# Allegro board AM335x_ICE_3H0013_PCB_REV_2_1A.brd (continued)
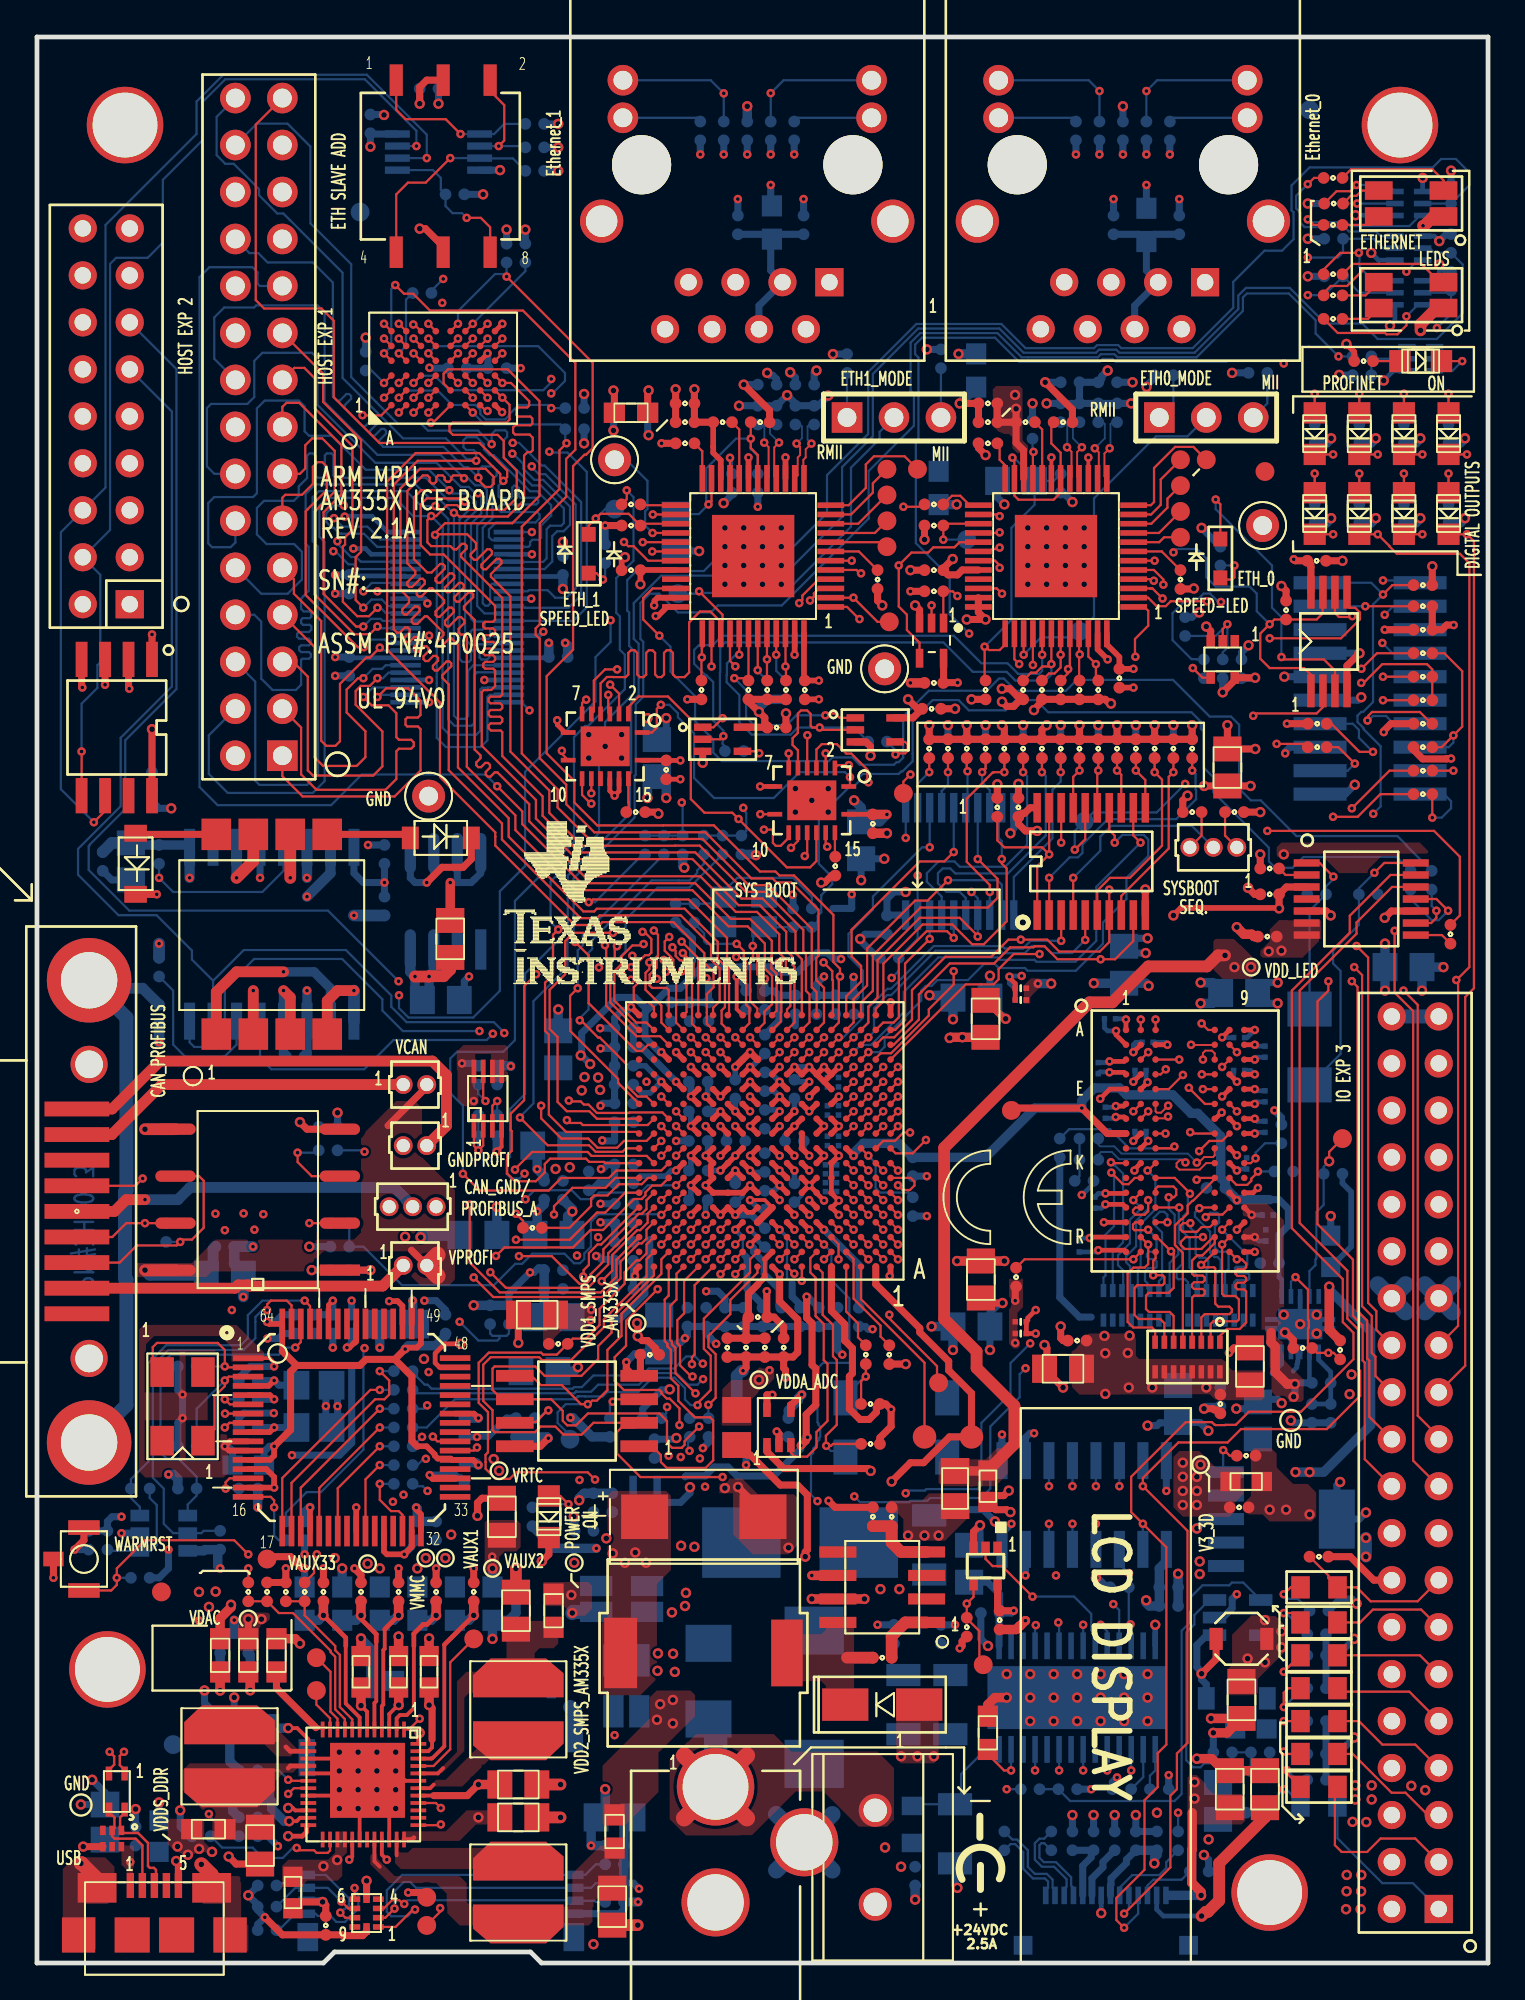
[diagram p0: board, top side]
## Routing (per net, layer and track width the routed paths; a pad name or vN(x,y) marks a point on that pad's centre or on a via; arc(x,y) is an arc through that point) (continued)
  LYR4 w0.127: v1(23.93,50.39) 24.84,51.3 27.07,51.3 27.8,50.57 29.82,50.57 30.28,50.11 30.7,50.11 30.72,50.09 30.86,49.96 30.86,49.95 32.28,48.53 32.28,43.05 33.13,42.2 33.13,40.53 33.62,40.04 34.18,40.04 v1(34.57,39.65)
  BOTTOM w0.121: v1(23.93,50.39) 19.79,50.39 18.68,51.5 18.68,52.11 16.51,54.29 11.74,54.29 10.16,52.7 10.16,49.78 9.91,49.53 8.51,49.53 8.26,49.78 8.26,50.93
UART3_RXD: length 33.2
  TOP w0.121: v1(28.66,45.57) 28.82,45.42 29.41,45.42 29.52,45.31 33.03,45.31 U14.L17 ; U18.38 23.62,27.71 23.79,27.87 v1(23.8,27.87)
  LYR4 w0.127: v1(28.66,45.57) 27.46,45.57 25.72,47.31 23.33,47.31 22.92,46.9 22.92,43.78 23.46,43.25 23.46,42 22.99,41.53 22.99,40.32 22.31,39.65 22.31,36.15 23.38,35.09 23.38,28.27 23.78,27.87 v1(23.8,27.87)
UART3_TXD: length 33.5
  TOP w0.121: v1(28.77,46.63) 28.81,46.59 29.41,46.59 29.58,46.42 29.83,46.42 30.28,45.96 32.03,45.96 32.05,45.99 33.83,45.99 U14.L16 ; v1(21.41,28.46) 21.39,28.46 21.4,28.46 21.65,28.21 U18.39
  LYR4 w0.127: v1(21.41,28.46) 21.41,28.48 21.96,29.03 21.96,33.05 21.81,33.2 21.81,39.86 22.42,40.47 22.42,47.11 23.12,47.82 25.94,47.82 26.57,47.18 28.22,47.18 v1(28.77,46.63)
UART4_RXD_SYNC0_OUT: length 66.9
  TOP w0.121: v1(29.54,37.12) 29.57,37.14 29.57,37.46 29.85,37.75 29.85,38.39 30.32,38.85 30.51,38.85 32.51,40.85 U14.E18
  LYR3 w0.127: J3.7 3.61,79.69 3.61,71.15 4.53,70.23 4.53,66.08 9.26,61.35 9.26,58.58 15.06,52.78 15.06,41.2 19.61,36.65 29.08,36.65 v1(29.54,37.12)
UART4_TXD_SYNC1_OUT: length 71.3
  TOP w0.121: v1(30.55,36.86) 31.12,37.44 31.12,38.28 32.46,39.62 32.62,39.62 33.03,40.03 33.03,40.51 U14.E17
  LYR3 w0.127: v1(30.55,36.86) 30.09,36.41 29.24,36.41 27.92,35.09 19.05,35.09 12.6,41.55 12.6,53.67 3.34,62.93 3.34,65.88 1.37,67.85 1.37,79.98 J3.8
USB_DC: length 35.6
  LYR3 w0.508: v1(5.05,5.46) 4.63,5.88 4.63,9.15 8.05,12.58 8.05,18.26 7.71,18.61 7.71,21.44 8.05,21.79 8.05,24.89 9.84,26.68 13.01,26.68 v1(13.79,27.46)
  BOTTOM w0.381: v1(13.79,27.46) 16.36,27.46 17.02,28.12 17.02,32.15
USBDM: length 5.6
  TOP w0.13: L6.3 3.89,8.17 4.19,7.87 4.19,7.3 U23.2 4.06,6.86 4.2,6.72 5.34,6.72 5.7,6.36 J13.2
USBDM_FT: length 25.5
  TOP w0.13: U18.7 v1(10.17,29.71) ; L6.2 3.89,10.44 4.18,10.72 4.18,11.18 v1(3.93,11.42)
  LYR3 w0.13: v1(10.17,29.71) 9.01,29.71 6.06,26.75 6.06,18.48 6.74,17.79 6.74,13.75 5.78,12.79 4.48,12.79 3.93,12.25 v1(3.93,11.42)
USBDP: length 5.6
  TOP w0.13: J13.3 6.44,4.28 6.44,5.03 6.33,5.14 6.1,5.14 6,5.24 6,6.49 5.47,7.03 4.7,7.03 U23.1 4.5,7.24 4.5,7.87 4.74,8.12 L6.4
USBDP_FT: length 25.5
  TOP w0.13: L6.1 4.74,10.44 4.48,10.7 4.48,11.2 v1(4.71,11.42) ; U18.8 10.41,29.21 v1(10.16,28.96)
  LYR3 w0.13: v1(10.16,28.96) 9.93,29.19 9.93,29.27 9.8,29.4 9.14,29.4 6.36,26.62 6.36,18.6 7.04,17.92 7.04,13.63 5.91,12.49 4.61,12.49 4.24,12.12 4.24,11.89 v1(4.71,11.42)
VADD33_PRUETH0: length 6
  TOP w0.381: U3.22 53.37,81.79 52.96,82.2 52.96,83.31 ; 52.96,83.31 C5.1 C2.1 ; 52.96,83.31 v2(52.96,84.04)
  vias: v2(52.9,84.79)
VADD33_PRUETH1: length 7.2
  TOP w0.305: R7.1 36.58,81.99 36.58,81.99 36.58,81.66 36.98,81.25 U2.22
  TOP w0.381: v2(35.56,85.09) C1.1 C3.1 R7.1
  BOTTOM w0.381: R240.1 33.03,82.66 v2(33.08,82.61)
VAUX1: length 108.1
  TOP w0.305: v1(33.77,49.25) U14.R16 ; v2(67.18,57.02) 67.16,57.05 61.87,57.05 v2(61.47,56.64) ; v1(33.77,47.65) U14.N16
  TOP w0.381: v2(67.18,57.02) C21.1 67.58,58.18 U12.3 ; R39.2 v2(66.17,59.94)
  LYR3 w0.305: v2(61.47,56.64) 61.47,56.52 60.96,56 59.82,56 59.47,55.65 59.47,54.91 59.41,54.84 59.41,53.7 58.12,52.4 51.74,52.4 49.85,54.29 49.53,54.29
  LYR3 w0.381: 49.53,54.29 v1(43.49,54.29)
  LYR3 w0.508: v2(35.56,22.5) 35.5,22.56 v2(34.84,22.56) 34.85,22.57 34.85,23.62 34.44,24.03 30.02,24.03 29.47,23.48 28.76,23.48 28.72,23.52 22.76,23.52 v2(22.4,23.16) 22.09,22.85 v2(22.09,21.89)
  LYR4 w0.305: v2(66.17,59.94) 67.18,58.93 v2(67.18,57.02)
  LYR4 w0.381: 29.88,48.61 v2(29.92,48.61)
  LYR4 w0.508: v1(33.77,49.25) 33.66,49.14 33.66,47.76 v1(33.77,47.65) ; v2(29.92,48.61) 30.01,48.51 30.62,48.51 31.19,47.94 31.19,42.52 31.88,41.84 31.88,39.44 32.84,38.48 32.93,38.39 32.93,35.97 33.51,35.38 33.51,33.47 32.91,32.87 32.91,25.6 34.84,23.67 v2(34.84,22.56) ; v2(29.41,49.07) 29.88,48.61
  BOTTOM w0.305: C124.1 32.91,48.51 v1(33.77,47.65) 33.17,47.05 32.71,47.05 C132.1
  BOTTOM w0.381: v2(29.41,49.07) 29.46,49.12 ; 29.46,49.12 29.46,49.06 v2(29.92,48.61) ; 29.46,49.12 29.46,50.29 31.39,52.21 32.35,52.21 32.92,51.64 33.12,51.64 ; v1(33.77,49.25) 33.68,49.25 32.89,50.04 32.89,51.41 33.12,51.64 ; 33.12,51.64 34.19,52.7 34.8,52.7 35.95,53.86 37.63,53.86 39.61,53.86 39.9,53.58 41.14,53.58 42.18,54.62 42.76,54.62 43.1,54.29 v1(43.49,54.29)
VAUX2: length 88.4
  TOP w0.254: U14.E10 38.71,40.59 38.43,40.59 U14.E11
  TOP w0.305: U14.P12 v1(36.97,48.45) ; U14.P5 42.57,47.65 ; U14.P5 v1(43.37,48.45) ; U14.P5 v1(42.57,48.45) U14.P6 ; 42.57,47.65 U14.P6 ; 42.57,47.65 U14.N5 ; U14.P8 v1(40.97,48.45) U14.P7 v1(41.77,48.45) U14.P6 ; U14.G14 v1(35.37,42.05) U14.F14 ; U14.L14 v1(35.37,45.25) U14.K14 ; U14.P13 v1(36.17,48.45) ; U14.E11 v1(37.77,40.45) U14.E12 v1(36.97,40.45) U14.E13
  TOP w0.381: v2(65.9,65.64) C23.1 v2(64.39,66.93) ; R44.2 54.36,66.67 v2(54.61,66.93) ; R44.2 R48.2 R51.2 ; R44.2 R43.2 R46.2 ; R51.2 R52.2 R53.2 ; R51.2 v2(56.39,66.93) ; R47.2 v2(50.29,66.93) ; R47.2 R45.2 R46.2 ; R47.2 R49.2 R50.2 v2(48.26,66.93) ; v2(62.23,63.12) 61.98,62.87 R37.2 ; R53.2 v2(58.42,66.93) ; R53.2 R54.2 R56.2 ; R56.2 v2(60.45,66.93) ; R56.2 R55.2 R57.2 v2(62.48,66.93) ; v2(52.2,66.93) 52.32,66.8 R46.2 ; R70.2 R71.2 v1(13.46,21.34)
  LYR4 w0.254: v1(35.86,27.28) 36.01,27.13
  LYR4 w0.508: 36.01,27.13 36.69,27.13 37.09,27.53 40.79,27.53 40.97,27.36 42.83,27.36 43.14,27.36 43.56,27.78 46.64,27.78 50.29,24.13 50.29,20.73 50.77,20.25 50.78,20.26 51.33,20.26 51.71,19.87 51.71,19.33 51.7,19.32 53.94,17.08 58.78,17.08 59.76,18.06 59.76,18.58 59.11,19.23 59.11,19.98 59.63,20.5 60.36,20.5 60.48,20.38 62.24,20.38 v2(62.89,21.03) v2(62.89,21.72)
  BOTTOM w0.305: v1(35.37,45.25) 35.37,45.94 C139.1 ; v1(41.77,48.45) v1(40.97,48.45) ; C173.2 35.37,41.36 v1(35.37,42.05)
  BOTTOM w0.381: C201.1 C202.2 37.21,35.94 36.83,36.32 v1(36.2,36.32) ; R196.2 32.77,29.97 33.78,30.99 34.04,30.99 34.07,31.02 v2(34.22,31.02) ; C172.2 38.65,40.45 v1(37.77,40.45) ; v1(36.02,27.84) 36.32,28.15 R197.2
  BOTTOM w0.508: v2(24.64,21.34) R213.2
  vias: v1(24.62,21.97) v1(29.98,35.32) v1(29.95,34.76)
VAUX33: length 128.1
  TOP w0.305: v1(34.57,49.25) U14.R15 ; v1(34.57,47.65) U14.N15
  TOP w0.508: R63.2 69.9,34.24 v2(69.9,36.57)
  LYR3 w0.381: v2(30.35,47.88) 30.35,47.32 v2(30.46,47.21) ; v1(34.57,49.25) 33.88,49.94 33.43,49.94
  LYR3 w0.508: v2(68.83,26.54) v2(68.07,26.54) 67.77,26.54 65.07,23.84 65.07,21.94 60.72,17.59 58.9,17.59 58.87,17.61 58.86,17.61 58.45,18.02 58.45,18.04 58.17,18.32 58.17,18.52 56.43,20.26 54.83,20.26 54.08,21.01 54.08,21.21 53.72,21.56 53.21,21.56 53.05,21.4 43.57,21.4 41.49,23.48 39.88,23.48 38.07,21.67 34.35,21.67 33.86,22.17 33.86,22.68 33.58,22.96 v2(30.79,22.96) v1(30.26,22.42) 30.1,22.58 23.98,22.58 22.98,21.58 22.98,21.41 22.24,20.68 19.2,20.68 v2(18.54,21.34) 18.29,21.59 v2(17.88,21.59) ; 33.43,49.94 32.92,49.94 31.11,48.13 30.61,48.13 v2(30.35,47.88)
  LYR4 w0.508: v1(34.57,47.65) 34.42,47.8 34.42,49.1 v1(34.57,49.25) ; v2(30.35,47.88) 30.46,47.77 v2(30.46,47.21) 29.9,46.65 29.9,42.71 29.92,42.69 29.92,42.68 30.26,42.34 30.27,42.34 31.13,41.48 31.13,34.95 30.12,33.95 30.12,31.3 30.14,31.28 30.3,31.08 30.53,30.86 30.53,30.1 30.79,29.84 v2(30.79,22.96) v1(30.26,22.42)
  BOTTOM w0.305: C186.1 71.08,38.73 71.08,41.7 70.61,42.16 R184.2
  BOTTOM w0.381: v1(34.57,47.65) 32.69,49.53 C120.1 C116.1
  BOTTOM w0.508: v1(30.26,22.42) 27.99,22.42 R208.2 ; 69.9,36.4 72.14,34.16 72.14,29.08 69.6,26.54 v2(68.83,26.54) v2(68.07,26.54)
VBREF: length 2.9
  BOTTOM w0.381: J17.9 57.06,4.58 57.66,5.18 57.66,5.46 C267.1
VCAN: length 18.8
  TOP w0.584: J6.1 6.75,47.5 4.04,44.79 J9.9
VCAN0: length 42.3
  TOP w0.381: J6.2 21.08,47.37 18.99,45.28 ; J10.2 20.26,38.54
  TOP w0.508: C24.1 v1(22.35,58.42)
  TOP w0.635: U16.8 v2(5.84,37.47)
  TOP w0.889: 21.65,37.15 J10.2 21.65,38.29
  LYR3 w0.381: J6.2 21.08,51.05 v1(23.37,53.34)
  LYR4 w0.381: v1(18.8,58.42) 19.58,59.21 21.56,59.21 v1(22.35,58.42) 22.35,56.13 23.37,55.12 v1(23.37,53.34)
  BOTTOM w0.381: v1(22.35,58.42) 22.73,58.42 ; 22.73,58.42 U27.7 ; 22.73,58.42 23.48,58.42 23.65,58.59 23.66,58.59 24,58.93 U27.8 ; v1(23.37,53.34) 23.11,53.09 23.11,52.34 C107.1 ; U28.16 17.14,58.93 17.65,58.42 v1(18.8,58.42) ; R152.2 v1(18.8,58.42) ; v1(18.8,58.42) C98.1
  BOTTOM w0.584: C191.1 9.53,37.58 9.53,38.61 C185.1
  BOTTOM w0.635: v2(5.84,37.47) 6.1,37.21 C191.1
VCOMH: length 10.7
  TOP w0.635: C63.1 66.42,7.87 63.94,5.4 63.94,3.38 63.33,2.77 63.22,2.77 v2(62.99,2.54)
  BOTTOM w0.254: J17.2 60.56,2.9 60.92,2.54 v2(62.99,2.54)
VDAC: length 25.1
  TOP w0.305: U14.E6 v1(41.77,41.25) ; v1(36.17,45.25) U14.K13 ; U14.N6 v1(41.77,46.85) ; U14.E14 v1(35.37,40.45) ; v1(40.17,41.25) U14.F9 ; v1(35.37,48.45) U14.P14 ; v1(40.17,48.45) U14.P9
  TOP w0.381: v2(11.43,18.59) R77.2
  LYR3 w0.381: 11.43,19.66 11.38,19.71 11.38,19.74 10.86,20.26 10.83,20.26 10.72,20.37 10.72,22.76 11.76,23.8 13.06,23.8 14.5,25.25 17.78,25.25 18.12,24.91 19.22,24.91 v1(19.25,24.94) 19.29,24.91 19.41,24.91 v1(19.83,25.32)
  LYR4 w0.381: v1(35.37,48.45) 35.69,48.13
  BOTTOM w0.381: 41.02,50.67 C152.1 ; 33.15,39.12 33.15,37.19 32.88,36.92 32.88,36.18 31.5,34.8 31.34,34.8
  vias: v1(21.18,31.95) v2(12.14,18.59) v2(20.93,32.66)
VDIG1: length 3.4
  TOP w0.381: v1(14.48,21.34) 14.35,21.34 13.72,21.97 12.57,21.97 TP26.1
  BOTTOM w0.381: R218.1 v1(14.48,21.34)
VDIG2: length 76.3
  TOP w0.203: v1(38.57,41.25) 38.58,41.26 39.36,41.26 U14.E9
  TOP w0.305: U14.H15 v1(34.57,42.85) ; U14.E7 v1(41.77,40.45)
  TOP w0.381: U14.D10 U14.E9 ; U14.R10 38.97,48.86 38.96,48.86 v1(38.57,49.25) U14.R11 v1(37.77,48.45)
  LYR3 w0.381: v1(37.77,48.45) 37.24,47.92 35.15,47.92 34.87,48.2 33.52,48.2 v1(32.97,47.65) ; v1(38.57,41.25) 39.12,40.7 40.45,40.7 40.73,40.98 41.24,40.98 v1(41.77,40.45)
  LYR4 w0.381: 37.69,41.71 38.11,41.71 v1(38.57,41.25)
  LYR4 w0.508: v2(16.51,21.34) 16.51,21.49 v2(16.1,21.89) 16.1,23.06 16.51,23.47 16.51,28.47 15.48,29.5 15.37,29.5 15.02,29.86 15.02,29.97 15.01,29.97 15.01,30.48 15.14,30.61 15.14,36.03 17.02,37.91 17.02,47.94 21.57,52.49 23.9,52.49 23.99,52.58 28.11,52.58 28.63,52.06 30.1,52.06 32.97,49.19 v1(32.97,47.65) 32.97,43.48 33.4,43.06 33.4,43.06 33.6,42.85 v1(34.57,42.85)
  BOTTOM w0.305: 39.52,40.69 39.47,40.74 C181.1 39.08,40.74 v1(38.57,41.25) ; C135.1 v1(37.77,48.45) ; v1(34.57,42.85) 34.32,42.85 34.01,42.55 32.64,42.55 C166.1
  BOTTOM w0.508: R217.1 v2(16.51,21.34)
VMMC: length 128.8
  TOP w0.305: U14.H14 v1(35.37,43.65) U14.J14 ; U14.P11 v1(38.57,48.45) U14.P10
  TOP w0.381: U24.10 17.83,1.7 17.8,1.67 17.8,1.67 17.61,1.48 16.55,1.48 16.51,1.52 C68.1 13.27,1.52 v1(12.33,2.47)
  LYR3 w0.381: v2(29.46,47.18) 29.84,46.81 29.84,46.26 30.26,45.83 30.7,45.83 31.09,46.23 33.95,46.23 35.1,47.38 37.5,47.38 v1(38.57,48.45)
  LYR4 w0.508: 28.77,47.88 27.13,47.88 25.75,49.25 20.31,49.25 18.92,47.87 18.92,44.09 18.16,43.32 18.16,40.18 18.52,39.83 19.35,39.83 v2(19.91,39.27) 18.92,38.28 18.92,36.52 18.44,36.04 18.44,35.54 19.15,34.82 19.15,33.02 18.79,32.66 18.29,32.66 17.93,32.31 17.93,24.69 18.9,23.72 19.91,23.72 21.03,22.61 v2(21.03,21.89) 20.57,21.44 v2(20.57,21.34) 19.53,20.29 15.21,20.29 13.33,18.41 13.33,15.32 14.73,13.92 14.73,5.54 13.74,4.55 12.32,4.55 v2(11.43,3.66) 11.43,3.37 v1(12.33,2.47) 13.31,1.49 26.33,1.49 28.14,3.3 v1(32.51,3.3) 32.56,3.35 v1(32.56,4.01)
  BOTTOM w0.305: v1(35.37,43.65) 35.37,42.96 C160.2 ; v1(38.57,48.45) 38.65,48.45 C119.2
  BOTTOM w0.381: R234.2 11.94,4.17 v2(11.43,3.66) 11.94,3.15 R236.2 11.94,2.86 v1(12.33,2.47) 11.94,2.09 R237.2 ; R235.2 31.75,2.92 31.49,2.66 J16.4 ; R233.2 32.26,4.32 v1(32.56,4.01)
  BOTTOM w0.508: v1(32.51,3.3) R235.2 R233.2 R231.2 C272.1 31.75,7.38 C260.1
  BOTTOM w0.635: C179.2 20.89,39.37 v2(20.76,39.24)
  vias: v2(29.62,47.9)
VPLL: length 46.2
  TOP w0.381: FB2.2 38.38,27.47 38.58,27.47 40.21,25.84 41.13,25.84 41.67,25.31 41.67,22.34 41.55,22.23 v2(41.55,21.97)
  TOP w0.508: v2(10.49,19.37) 10.49,19.23 9.91,18.64 R76.2
  LYR3 w0.635: v2(10.49,19.37) 10.49,19.32 9.99,18.82 9.99,18.26 10.86,17.4 12.7,17.4 13.55,16.55 28.99,16.55 30.12,17.68 37.26,17.68 v2(41.55,21.97)
VPMIC_VRTC: length 8.7
  TOP w0.203: v1(16.89,5.59) 17.05,5.75 U22.29
  LYR3 w0.381: v1(16.89,5.59) 16.83,5.65 16.83,5.82 16.32,6.33 14.93,6.33 14.11,5.51 13.38,5.51 13.03,5.85 v1(13.03,6.31)
  BOTTOM w0.381: v1(13.03,6.31) 12.49,6.86 R228.2 C261.1
VPP: length 0.6
  TOP w0.305: U14.M5 v1(43.37,46.85)
VPROFI_DB: length 18.2
  TOP w0.584: J10.1 18.69,36.6 11.49,36.6 11.43,36.66 10.89,36.66 10.71,36.49 2.16,36.49
VPROFI_SRC: length 12.7
  TOP w0.381: D11.1 23.5,59.69 23.05,59.25 21.91,59.25 v1(21.08,58.42) ; D13.1 v1(6.48,57.78)
  BOTTOM w0.381: U27.5 20.19,58.67 20.45,58.42 v1(21.08,58.42) 21.46,58.8 21.46,60.01 ; C96.1 4.05,58.56 C95.1 5.86,57.78 v1(6.48,57.78)
VPROFI_TRANSA: length 4.4
  TOP w0.381: L1.8 5.52,61.03 5.46,61.09 D13.2
VPROFI_TRANSB: length 4.6
  TOP w0.381: L1.5 20,61.03 D11.2
VREFP_ADC: length 7.3
  TOP w0.203: 39.37,37.21 39.37,38.05
  TOP w0.305: 39,36.7 39.37,37.08 39.37,37.21 ; 39.37,38.05 U14.B9
  TOP w0.381: C34.1 C33.1 ; C34.1 38.35,34.8 R60.1 38.48,36.19 39,36.7 ; C34.1 C35.1
VRTC: length 44.5
  TOP w0.305: v1(41.77,39.65) U14.D7
  TOP w0.381: v1(41.31,27.98) 41.35,27.98 41.61,28.23 41.61,28.35 v1(41.68,28.43) 41.61,28.5 41.61,29.66 42.13,30.18 42.13,32.14 41.92,32.34 41.92,34.59 41.63,34.89 v1(41.63,36.03)
  LYR3 w0.305: v1(23.62,46.61) 23.37,46.86 23.37,48.39 23.11,48.64 v1(22.99,48.64)
  LYR4 w0.508: v1(23.62,46.61) 23.65,46.58 23.65,46.36 25.48,44.53 25.48,43.38 24.16,42.06 24.16,40.5 23.01,39.36 23.01,36.82 23.61,36.22 23.9,36.22 24.28,35.83 24.28,35.08 24.1,34.9 24.1,30.15 24.69,29.57 24.69,27.26 v2(24.7,27.25) 24.7,26.91 v2(24.99,26.62)
  BOTTOM w0.381: v1(41.63,36.03) 41.7,36.03 C197.1 ; v1(41.68,28.43) 41.6,28.43 41.4,28.23 41.4,28.13 41.35,28.08 41.35,28.02 41.31,27.98 v1(41.31,27.98) 41.31,27.97 41.31,27.8 39.85,26.33 37.87,26.33 37.38,26.82 36.63,26.82 36.14,26.34 35.1,26.34 35.05,26.29 ; v1(22.99,48.64) 23.58,48.64 23.61,48.6 23.79,48.6 C125.1
VRTC_DET: length 2.2
  TOP w0.121: U13.3 24.63,46.35 v1(24.89,46.61)
  BOTTOM w0.121: R177.1 v1(24.89,46.61)
VRTC_DETB: length 4.8
  TOP w0.121: U13.2 24.14,44.2 v1(23.88,43.94) 23.63,44.18 U13.1
  BOTTOM w0.121: R177.2 C148.1 v1(23.88,43.94)
VTT_DDR: length 12.3
  BOTTOM w0.254: U29.5 67.33,32.4 66.8,31.88 ; 67.94,32 68.15,32.21 68.15,32.37 68.19,32.42 68.19,32.52 68.2,32.54 68.2,32.9 68.33,33.02 U29.3
  BOTTOM w0.381: R180.2 55.32,35.99 56.39,34.92 57.02,34.92
  vias: v2(57.74,33.91) v2(57.78,32.97) v2(57.78,30.77) v2(59,32.98) v2(59.1,33.92) v2(59.05,31.11) v2(60.33,31.11) v2(63.25,31.11)
XTIN: length 9.4
  TOP w0.121: U18.2 10.21,32.21 v1(10.16,32.26) 10.16,33.15 9.78,33.53 6.49,33.53 6.26,33.3 6.26,32.46 Y2.3
  BOTTOM w0.121: C211.2 v1(10.16,32.26)
XTOUT: length 9.3
  TOP w0.121: U18.3 10.37,31.71 v1(10.16,31.5) 10.16,31.19 9.6,30.63 9.6,28.87 Y2.1
  BOTTOM w0.121: v1(10.16,31.5) 8.64,29.97 C222.2
N16792759: length 9.2
  BOTTOM w0.121: U28.6 10.79,49.66 10.16,49.02 8,49.02 7.37,49.66 7.37,52.58 R174.2
N16818242: length 26.1
  TOP w0.121: v1(52.76,81.4) 52.87,81.29 U3.23 52.87,79.34 53.09,79.12 54.99,79.12 55.37,79.5 U3.18 55.37,81.66 54.86,82.16 54.86,83.19 C6.1 ; C16.1 51.26,69.39 v1(51.26,71.17) 51.31,71.17 51.49,70.99 52.07,70.99 52.37,71.29 U3.37
  BOTTOM w0.121: C81.1 53.96,78.85 52.7,77.6 52.7,72.62 v1(51.26,71.17) ; C81.1 53.96,80.28 52.84,81.4 v1(52.76,81.4) ; C81.1 54.99,80.14 C82.1
N16818333: length 3.2
  TOP w0.121: R8.2 54.37,82.92 U3.20
N16818596: length 4.3
  BOTTOM w0.121: J2.9 55.99,99.77 R89.1
N16819128: length 2.1
  TOP w0.121: U3.24 52.37,80.98 52.07,81.28 52.07,82.04 R10.2
N16839102: length 6.7
  BOTTOM w0.121: U35.14 51.32,11.55 49.98,10.21 49.98,8.91 C262.1 47.46,8.58 R227.1
N16839202: length 3
  TOP w0.121: v1(52.69,10.41) 52.3,10.41 51.44,11.28 R82.2
  BOTTOM w0.121: U35.13 v1(52.69,10.41)
N16839209: length 2.4
  BOTTOM w0.121: U35.2 59.84,10.05 R223.2
N16839216: length 2.3
  BOTTOM w0.121: R222.2 60.2,10.13 60.49,10.41 U35.1
N16844016: length 2.7
  TOP w0.121: D15.2 v1(76.35,84.85)
  BOTTOM w0.121: v1(76.35,84.85) R173.2
N16844076: length 2.7
  TOP w0.121: D14.2 v1(73.94,84.85)
  BOTTOM w0.121: v1(73.94,84.85) R155.2
N16844150: length 2.7
  TOP w0.121: D12.2 v1(71.52,84.85)
  BOTTOM w0.121: v1(71.52,84.85) R151.2
N16844168: length 2.7
  TOP w0.121: D10.2 v1(69.11,84.85)
  BOTTOM w0.121: v1(69.11,84.85) R143.2
N16844256: length 2.7
  TOP w0.121: D9.2 v1(76.35,80.54)
  BOTTOM w0.121: v1(76.35,80.54) R140.2
N16844274: length 2.7
  TOP w0.121: D8.2 v1(73.94,80.54)
  BOTTOM w0.121: v1(73.94,80.54) R136.2
N16844366: length 2.7
  TOP w0.121: D7.2 v1(71.52,80.54)
  BOTTOM w0.121: v1(71.52,80.54) R133.2
N16844384: length 2.7
  TOP w0.121: D6.2 v1(69.11,80.54)
  BOTTOM w0.121: v1(69.11,80.54) R132.2
N17075237: length 2.3
  TOP w0.121: v1(64.77,75.56) 64.77,74.92 64.65,74.8 64.1,74.8 D4.2
  BOTTOM w0.121: R130.1 v1(64.77,75.56)
N17107785: length 3
  TOP w0.121: v1(13.59,9.91) 13.64,9.85 U22.18
  BOTTOM w0.121: v1(13.59,9.91) 13.08,10.41 C254.1
N17123334: length 0.9
  TOP w0.203: U22.35 19.45,5.82
N17123833: length 0.9
  TOP w0.203: U22.42 21.26,9.45 21.46,9.65
N19577113: length 7.9
  TOP w0.121: v1(14.05,6.22) 14.1,6.22 14.22,6.1 14.99,6.1 15.13,5.96 15.73,5.96 15.85,6.08 U22.26
  BOTTOM w0.121: v1(14.05,6.22) 13.83,6.22 13.29,5.68 12.77,5.68 12.74,5.72 12.19,5.72 11.66,6.24 10.02,6.24 R229.1
N19577116: length 8.1
  TOP w0.121: U22.19 13.9,9.45 v1(13.59,9.14)
  LYR3 w0.127: v1(9.3,8.06) 10.39,9.14 v1(13.59,9.14)
  BOTTOM w0.121: R228.1 10.41,6.86 9.41,7.86 9.41,7.95 v1(9.3,8.06)
N20350418: length 2.2
  TOP w0.121: R38.2 64.26,60.96 J5.3
N20364263: length 10.3
  TOP w0.121: v1(46.1,35.05) 46.1,34.86 46.68,34.28 46.68,34.27 48.68,32.27 48.68,31.78 48.77,31.69 TP23.1 ; U14.C5 43.36,38.86 v1(43.36,38.05)
  LYR3 w0.127: v1(46.1,35.05) 43.36,37.8 v1(43.36,38.05)
N21063525: length 5.1
  TOP w0.121: U1.F6 v1(23.57,88.63)
  BOTTOM w0.121: R101.1 26.42,91.48 v1(23.57,88.63)
N21210919: length 23.5
  BOTTOM w0.121: R225.1 R224.2 55.88,8.76 61.53,8.76 61.92,9.14 61.92,17.97 62.35,18.41 62.35,18.92 62.36,18.92 62.36,18.96 62.42,19.02 62.42,19.8 63.04,20.42 64.48,20.42 64.64,20.57 65.25,20.57 U34.4
N21210937: length 6.5
  TOP w0.381: L2.2 63.78,16.43 v2(62.99,15.64)
  BOTTOM w0.381: U34.1 63.27,17.73 62.74,17.19 62.74,16 62.99,15.75 v2(62.99,15.64) 62.99,15.33 63.25,15.08 D20.2
N21211001: length 14.7
  BOTTOM w0.121: U34.3 63.43,19.37 63.16,19.37 62.6,18.81 62.6,18.3 62.16,17.87 62.16,10.96 62.54,10.58 62.93,10.58 63.14,10.8 64.52,10.8 64.64,10.92 R221.2 R220.1 C255.2
N21251713: length 4.3
  BOTTOM w0.121: J2.11 61.48,99.77 R93.1
N21451174: length 2.4
  TOP w0.121: U17.3 31.27,30.48 v1(31.14,30.35)
  BOTTOM w0.121: R199.1 30.99,30.2 v1(31.14,30.35)
N21451189: length 3
  TOP w0.121: U17.7 25.96,29.21 26.02,29.25 26.98,29.25 27.61,29.88 v1(27.66,29.88)
  BOTTOM w0.121: R200.1 27.17,29.46 27.58,29.88 v1(27.66,29.88)
N21620210: length 13.6
  LYR3 w0.127: v1(67.44,9.4) 64.01,9.4 63.03,8.42 62.02,8.42 61.9,8.55 61.05,8.55 v1(59.19,10.41)
  BOTTOM w0.121: R226.2 68.34,8.62 67.56,9.4 v1(67.44,9.4) 66.42,8.38 C259.1 ; U35.3 v1(59.19,10.41)
N21620213: length 13.8
  TOP w0.121: R84.2 67.56,10.3 67.56,10.35 67.6,10.39 v1(67.6,10.43)
  LYR3 w0.127: v1(67.6,10.43) 61.96,10.43 61.56,10.83 58.31,10.83 v1(57.89,10.41)
  BOTTOM w0.121: C256.1 68.13,9.91 v1(67.6,10.43) ; U35.5 v1(57.89,10.41)
N21620216: length 14.8
  TOP w0.121: v1(67.44,11.43) 67.56,11.3 R83.2
  LYR3 w0.127: v1(56.59,10.41) 57.69,11.52 67.35,11.52 v1(67.44,11.43)
  BOTTOM w0.121: C253.1 67.56,11.3 v1(67.44,11.43) ; U35.7 v1(56.59,10.41)
N21620219: length 16.6
  TOP w0.121: R81.2 v1(67.44,13.08)
  LYR3 w0.127: v1(67.44,13.08) 66.17,11.81 56.68,11.81 v1(55.29,10.41)
  BOTTOM w0.121: C250.1 v1(67.44,13.08) ; U35.9 v1(55.29,10.41)
N21620222: length 19.5
  TOP w0.121: v1(67.44,13.84) 67.44,13.84 67.44,14.61 67.68,14.86 R80.2
  LYR3 w0.127: v1(67.44,13.84) 62.1,13.84 60.33,12.07 55.64,12.07 v1(53.99,10.41)
  BOTTOM w0.121: U35.11 v1(53.99,10.41) ; C247.1 68.46,14.86 v1(67.44,13.84)
N21620225: length 19.8
  TOP w0.121: v1(67.44,15.75) 68.33,16.64 R79.2
  LYR3 w0.127: v1(54.03,18.27) 54.03,18.25 55.57,16.71 55.57,15.68 55.79,15.46 55.79,15.43 56.07,15.15 56.1,15.15 56.26,14.99 66.67,14.99 v1(67.44,15.75)
  BOTTOM w0.121: C246.1 68.33,16.64 v1(67.44,15.75) ; U35.18 53.99,18.23 v1(54.03,18.27)
N21620228: length 18.9
  TOP w0.121: v1(67.44,18.92) 67.94,18.92 68.34,18.53 R74.2
  LYR3 w0.127: v1(55.24,18.41) 56.64,17.02 56.64,16.89 57.4,16.13 62.74,16.13 65.91,19.3 67.06,19.3 v1(67.44,18.92)
  BOTTOM w0.121: U35.20 55.29,18.37 v1(55.24,18.41) ; v1(67.44,18.92) 67.56,18.92 C241.1
N21620231: length 17
  TOP w0.121: v1(67.44,19.94) 67.81,20.31 R68.2
  LYR3 w0.127: v1(67.44,19.94) 65.66,19.94 62.93,17.21 62.93,17.08 62.36,16.51 58.36,16.51 v1(56.59,18.29)
  BOTTOM w0.121: v1(67.44,19.94) 67.69,19.68 68.2,19.68 C239.1 ; U35.22 v1(56.59,18.29)
N21797281: length 1.9
  TOP w0.121: U9.15 31.98,62.76 32,62.74 32,62.48 31.88,62.35 R40.2
N21797333: length 1.3
  TOP w0.121: U11.15 43.16,59.84 R41.2
N21800158: length 2.4
  BOTTOM w0.121: R179.2 R182.2 56.39,42.55 C162.1
N21868977: length 4.1
  BOTTOM w0.254: U29.1 69.33,32.61 69.98,31.96 R191.1 C216.1 R195.2
N21870936: length 3
  TOP w0.121: v1(66.04,42.8) 66.04,42.77 65.68,42.41 65.68,42.29 65.46,42.07 64.88,42.07 U15.L8
  BOTTOM w0.121: R183.2 v1(66.04,42.8)
N21881059: length 1.8
  TOP w0.121: D5.2 30.26,75.15 v1(30.61,74.8)
  BOTTOM w0.121: v1(30.61,74.8) 30.73,74.93 R131.1
N21881073: length 4.3
  BOTTOM w0.121: J1.11 41.16,99.77 R98.1
N21881115: length 4.3
  BOTTOM w0.121: J1.9 35.67,99.77 R94.1
N21881265: length 24.9
  TOP w0.121: U2.18 38.98,81.54 38.61,81.92 v1(38.61,82.42) C4.1 ; U2.23 36.49,79.03 v1(36.32,78.87) ; C14.1 35.94,70.58 v1(35.96,70.6) 35.96,71.1 35.98,71.12 U2.37
  LYR4 w0.127: v1(36.32,78.87) 36.49,78.7 36.49,71.66 35.96,71.14 v1(35.96,70.6)
  BOTTOM w0.121: C83.1 38.99,81.49 38.66,81.82 38.64,81.82 38.61,81.85 v1(38.61,82.42) 37.81,82.42 36.2,80.81 36.2,78.99 v1(36.32,78.87) 35.8,78.34 C84.1
N21881353: length 3.2
  TOP w0.121: U2.20 37.98,82.92 R7.2
N21881950: length 2.1
  TOP w0.121: U2.24 35.98,81.74 R9.2
N22333314: length 9.4
  TOP w0.121: v1(22.91,98.89) 22.11,99.69 19.94,99.69 19.43,100.2 SW1.1
  BOTTOM w0.121: v1(22.91,98.89) U25.1 24.72,98.89 25.27,99.44 R88.2
N22333318: length 6.5
  TOP w0.121: v1(24.97,98.24) 25.27,98.54 25.27,100.46 24.51,101.22 SW1.2
  BOTTOM w0.121: R99.2 26.34,98.24 v1(24.97,98.24) U25.2
N22371955: length 2.1
  TOP w0.121: v1(64.16,27.73) 64.22,27.73 64.52,27.43 C43.1
  BOTTOM w0.121: U32.5 64.16,26.69 v1(64.16,27.73)
N23086594: length 2.3
  TOP w0.121: R13.1 49.49,79.33 49.94,79.33 50.45,78.82 U3.25
N23086888: length 1.9
  TOP w0.121: U2.25 32.68,78.82 R12.1
N27955689: length 3.1
  TOP w0.254: v1(16,35.81) 15.77,35.58 U18.59
  BOTTOM w0.381: v1(16,35.81) R188.2 R189.1
N27956453: length 2
  TOP w0.121: U10.4 63.04,69.49 v1(62.52,70.02)
  BOTTOM w0.121: 63.12,69.47 63.07,69.47 v1(62.52,70.02)
N28554546: length 6.5
  TOP w0.121: R1.2 71.08,96.99 75.48,96.99 76.08,96.39 D1.2
N28554548: length 2.2
  TOP w0.121: D1.4 71.66,95.84 71.38,95.55 71.06,95.55 R2.2
N28554589: length 8.9
  TOP w0.121: v1(68.74,96.18) 69.08,96.52 R1.1
  BOTTOM w0.121: v1(68.74,96.18) 68.11,95.55 68.11,94.87 68.32,94.66 68.32,94.11 68.57,93.86 70.73,93.86 70.96,93.62 72.42,93.62 72.68,93.37 Q2.3
N28554595: length 7.6
  TOP w0.121: R3.1 69.04,93.98 v1(68.74,94.28)
  BOTTOM w0.121: Q1.6 74.8,94.49 74.23,93.92 71.02,93.92 70.82,94.12 68.9,94.12 v1(68.74,94.28)
N28554605: length 4.4
  TOP w0.121: v1(71.37,96.14) 71.03,95.8 70.29,95.8 R2.1
  BOTTOM w0.121: v1(71.37,96.14) 73.1,96.14 Q1.3
N28554613: length 2.2
  TOP w0.121: D1.3 72.12,93.98 R3.2
N28559145: length 6.1
  TOP w0.121: D2.2 75.87,90.88 74.88,91.87 71.17,91.87 R4.2
N28559147: length 2.3
  TOP w0.121: D2.4 71.86,90.17 R5.2
N28559250: length 2.2
  TOP w0.121: D2.3 71.99,88.9 R6.2
N28559254: length 5.5
  TOP w0.121: v1(71.5,92.47) 70.5,92.47 69.6,91.57 R4.1
  BOTTOM w0.121: v1(71.5,92.47) 71.53,92.43 71.53,91.71 72.28,90.96 Q3.6
N28559256: length 6.4
  TOP w0.121: R5.1 69.6,90.3 69.98,90.68 70.87,90.68 71.64,91.45 71.64,91.46 71.8,91.62 73.9,91.62 v1(74.07,91.45)
  BOTTOM w0.121: v1(74.07,91.45) 74.69,92.07 Q2.6
N28559275: length 6.6
  TOP w0.121: v1(74.07,89.04) 74.07,88.55 73.59,88.06 72.99,88.06 72.92,88.14 70.36,88.14 R6.1
  BOTTOM w0.121: Q3.3 74.69,89.66 v1(74.07,89.04)
N28559577: length 2.8
  TOP w0.121: D3.1 v1(77.09,86.62)
  BOTTOM w0.121: v1(77.09,86.62) 76.56,86.09 Q4.6
N28559579: length 1.5
  TOP w0.121: 72.26,86.61 72.26,86.62 D3.2
N28559581: length 3
  BOTTOM w0.121: Q4.2 72.3,86.74 R126.1 R127.2
N28629254: length 3.3
  TOP w0.121: D16.2 28.3,25.25 v1(28.75,24.81)
  BOTTOM w0.121: v1(28.75,24.81) 26.97,24.81 R208.1
